# Altium PCB 霍尔小板拼版.PcbDoc (part 1 of 3)
Units mm, origin at the board's own origin, x right, y up, seen from the top; angles counter-clockwise.
Board outline 100.88 x 92.97 mm, 2 copper layers (Top Layer, Bottom Layer); 204 components, 39 nets, 616 pads, 200 vias.
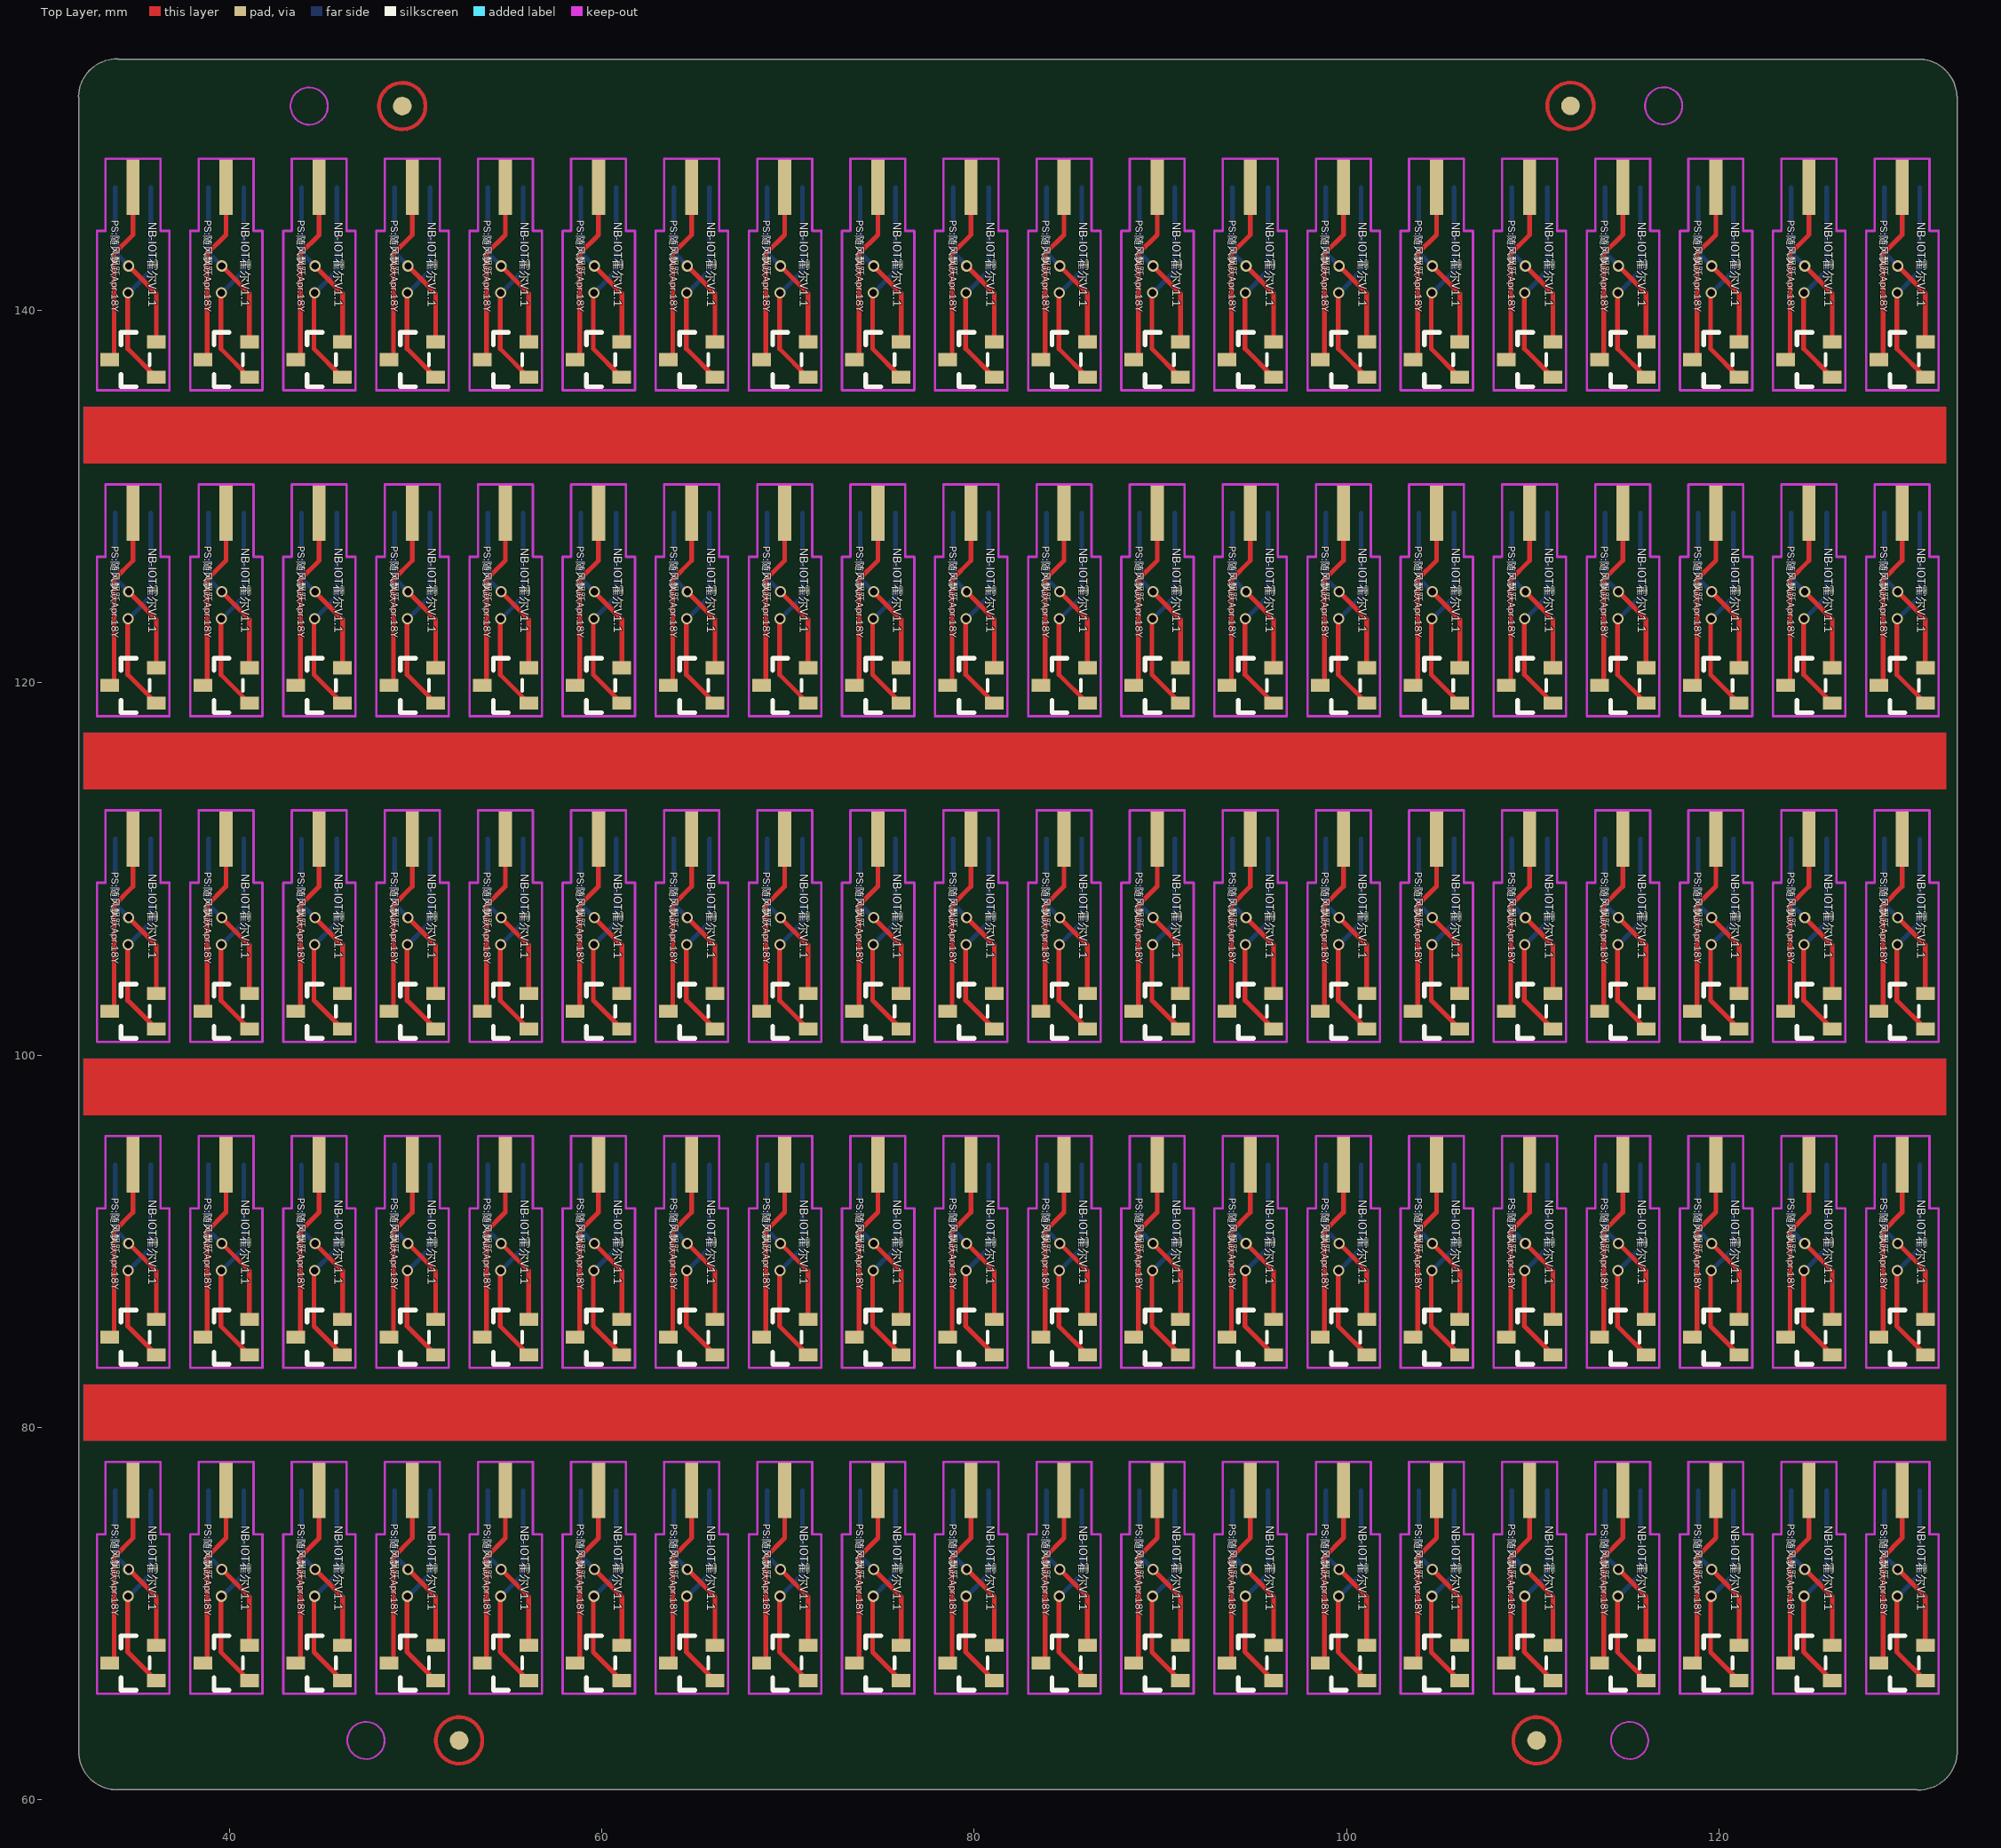
[diagram p0: Top Layer view]
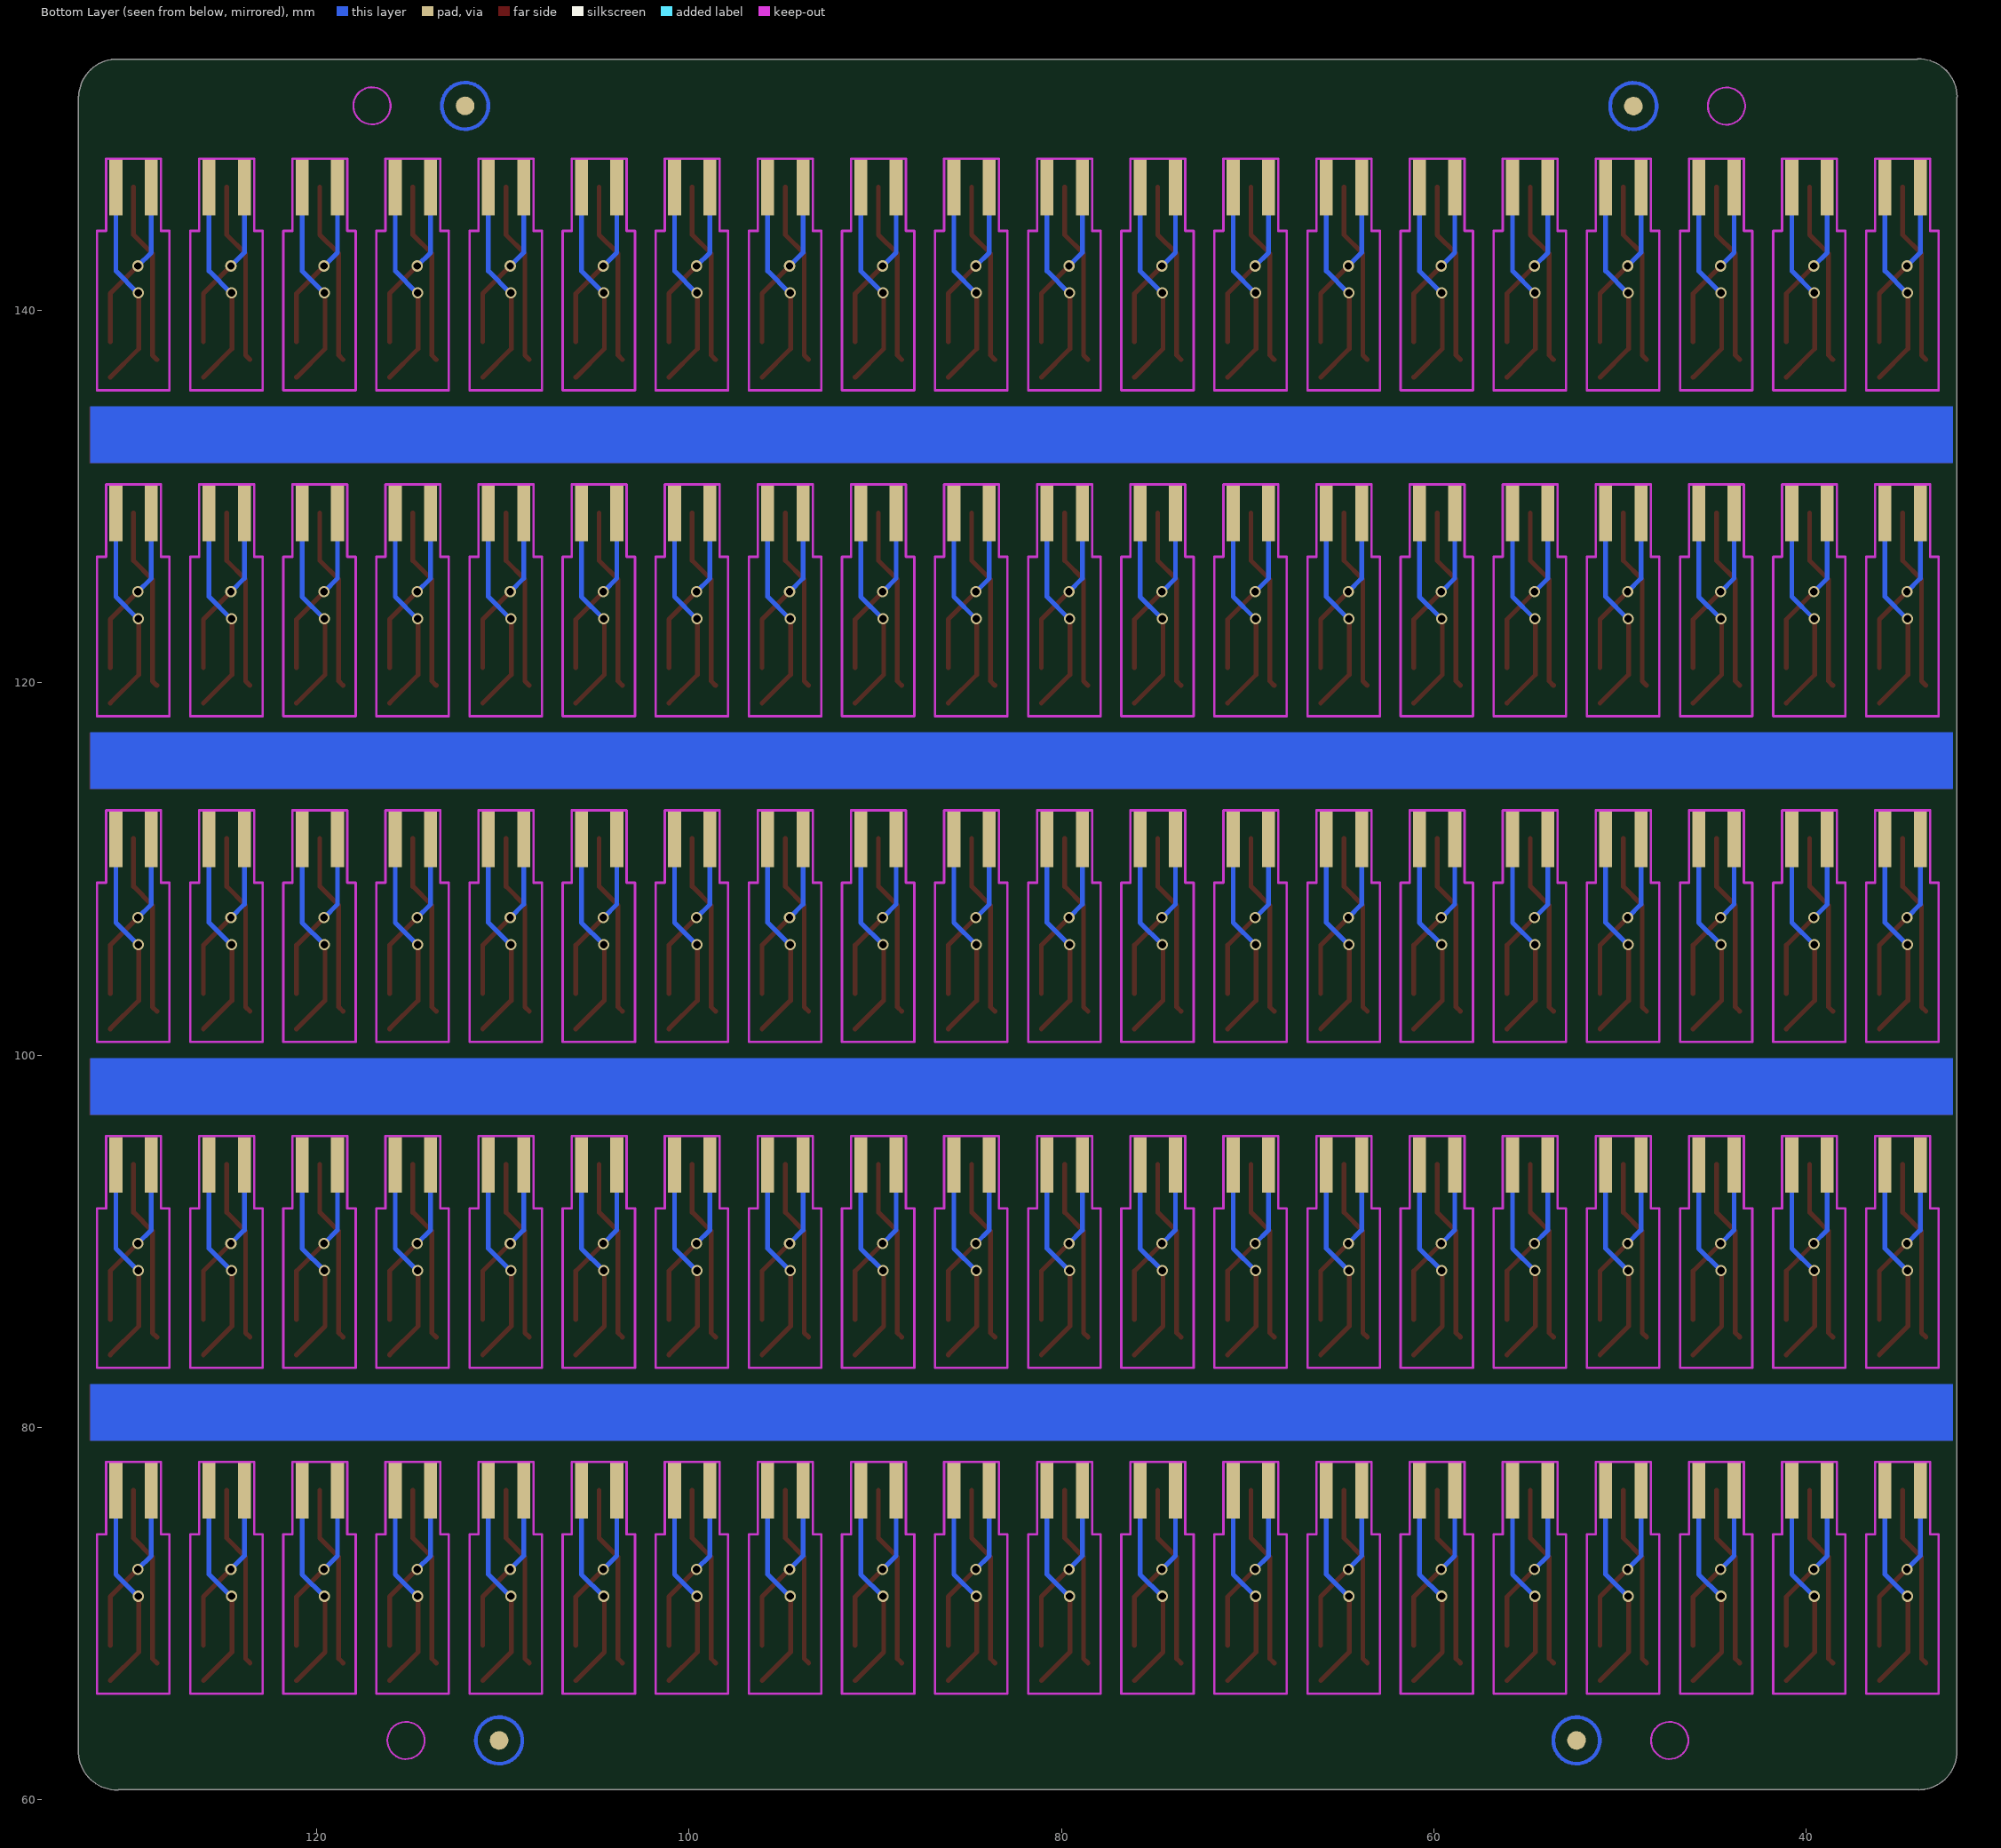
[diagram p1: Bottom Layer view, seen from below]

## Layer stack, top to bottom
Top Layer: signal copper 0.0356
Dielectric: dielectric 0.32, FR-4, Dk 4.8
Bottom Layer: signal copper 0.0356

## Board outline
33.696,60.541 33.824,60.541 ccw(c33.973,62.599) 33.936,60.535 ccw(c33.937,60.599) 33.962,60.541 130.643,60.541 ccw(c130.682,60.591) 130.681,60.528 ccw(c130.718,62.591) 132.78,62.502 ccw(c132.72,62.525) 132.784,62.525 132.784,151.473 ccw(c132.72,151.473) 132.77,151.513 ccw(c130.708,151.426) 131.032,153.465 ccw(c130.985,153.421) 130.985,153.485 130.857,153.485 ccw(c130.708,151.426) 130.745,153.49 ccw(c130.744,153.426) 130.719,153.485 34.038,153.485 ccw(c33.999,153.434) 34,153.498 ccw(c33.963,151.434) 31.899,151.472 ccw(c31.963,151.47) 31.915,151.429 31.915,62.66 ccw(c31.973,62.635) 31.909,62.636 ccw(c33.973,62.599) 33.649,60.561 ccw(c33.696,60.604)

## Design rules (kind name [scope] priority, off if disabled: settings)
Clearance [All] p1: gap=0.254
PolygonConnect [All] p1: connectstyle=Relief reliefconductorwidth=0.254 reliefentries=4 polygonreliefangle="90 Angle"
RoutingVias [All] p1: holewidth=0.457 width=0.762 viastyle="Through Hole" minholewidth=0.203 minwidth=0.254 maxholewidth=0.711 maxwidth=1.27
SilkscreenOverComponentPads [All] p1: minsilkscreentomaskgap=0.254
SolderMaskExpansion [All] p1: expansion=0.102
TestPointUsage [All] p1: valid=0 allowmultiple=FALSE
Testpoint [All] p1: side=15 testpointundercomponent=TRUE minsize=1.016 maxsize=2.54 preferedsize=1.524 minholesize=0 maxholesize=1.016 preferedholesize=0.813 testpointgrid=0.025 style=1023 order=0-112345678
Width [All] p1: maxlimit=2.54 minlimit=0.254 preferedwidth=0.381
23 further rules are at their usual default settings.

## Classes and differential pairs
component class 光电小板: 1 1- 2 2- 3 3- 4 4- 5 5- B1
component class KD-Water2: B2 B3 B4 B5 C1 C2 C3 C4 C5 C6 D1 D2 DR1 DR2 DR3 J1 P1 R1 R2 R3 R4 R5 R6 R7 R8 R9 R10 R11 R12 R13 R14 R15 U1 U2 U3

## Components (designator, comment, footprint, x,y, rotation, side; value= is the part's Value field where it differs from the comment)
? "" Mark 52.337,63.19 r180 top
? "" Mark 110.198,63.19 r0 top
? "" Mark 49.286,150.967 r180 top
? "" Mark 112.022,150.98 r0 top
? "Comment" 霍尔转接板 34.826,145.352 r90 top
? "Comment" SOT-23(SOT-23-3) 34.826,137.351 r0 top
? "Comment" 霍尔转接板 39.826,145.352 r90 top
? "Comment" SOT-23(SOT-23-3) 39.826,137.351 r0 top
? "Comment" 霍尔转接板 44.826,145.352 r90 top
? "Comment" SOT-23(SOT-23-3) 44.826,137.351 r0 top
? "Comment" 霍尔转接板 49.826,145.352 r90 top
? "Comment" SOT-23(SOT-23-3) 49.826,137.351 r0 top
? "Comment" 霍尔转接板 54.826,145.352 r90 top
? "Comment" SOT-23(SOT-23-3) 54.826,137.351 r0 top
? "Comment" 霍尔转接板 59.826,145.352 r90 top
? "Comment" SOT-23(SOT-23-3) 59.826,137.351 r0 top
? "Comment" 霍尔转接板 64.826,145.352 r90 top
? "Comment" SOT-23(SOT-23-3) 64.826,137.351 r0 top
? "Comment" 霍尔转接板 69.826,145.352 r90 top
? "Comment" SOT-23(SOT-23-3) 69.826,137.351 r0 top
? "Comment" 霍尔转接板 74.826,145.352 r90 top
? "Comment" SOT-23(SOT-23-3) 74.826,137.351 r0 top
? "Comment" 霍尔转接板 79.826,145.352 r90 top
? "Comment" SOT-23(SOT-23-3) 79.826,137.351 r0 top
? "Comment" 霍尔转接板 84.826,145.352 r90 top
? "Comment" SOT-23(SOT-23-3) 84.826,137.351 r0 top
? "Comment" 霍尔转接板 89.826,145.352 r90 top
? "Comment" SOT-23(SOT-23-3) 89.826,137.351 r0 top
? "Comment" 霍尔转接板 94.826,145.352 r90 top
? "Comment" SOT-23(SOT-23-3) 94.826,137.351 r0 top
? "Comment" 霍尔转接板 99.826,145.352 r90 top
? "Comment" SOT-23(SOT-23-3) 99.826,137.351 r0 top
? "Comment" 霍尔转接板 104.826,145.352 r90 top
? "Comment" SOT-23(SOT-23-3) 104.826,137.351 r0 top
? "Comment" 霍尔转接板 109.826,145.352 r90 top
? "Comment" SOT-23(SOT-23-3) 109.826,137.351 r0 top
? "Comment" 霍尔转接板 114.826,145.352 r90 top
? "Comment" SOT-23(SOT-23-3) 114.826,137.351 r0 top
? "Comment" 霍尔转接板 119.826,145.352 r90 top
? "Comment" SOT-23(SOT-23-3) 119.826,137.351 r0 top
? "Comment" 霍尔转接板 124.826,145.352 r90 top
? "Comment" SOT-23(SOT-23-3) 124.826,137.351 r0 top
? "Comment" 霍尔转接板 129.826,145.352 r90 top
? "Comment" SOT-23(SOT-23-3) 129.826,137.351 r0 top
? "Comment" 霍尔转接板 34.826,127.852 r90 top
? "Comment" SOT-23(SOT-23-3) 34.826,119.851 r0 top
? "Comment" 霍尔转接板 39.826,127.852 r90 top
? "Comment" SOT-23(SOT-23-3) 39.826,119.851 r0 top
? "Comment" 霍尔转接板 44.826,127.852 r90 top
? "Comment" SOT-23(SOT-23-3) 44.826,119.851 r0 top
? "Comment" 霍尔转接板 49.826,127.852 r90 top
? "Comment" SOT-23(SOT-23-3) 49.826,119.851 r0 top
? "Comment" 霍尔转接板 54.826,127.852 r90 top
? "Comment" SOT-23(SOT-23-3) 54.826,119.851 r0 top
? "Comment" 霍尔转接板 59.826,127.852 r90 top
? "Comment" SOT-23(SOT-23-3) 59.826,119.851 r0 top
? "Comment" 霍尔转接板 64.826,127.852 r90 top
? "Comment" SOT-23(SOT-23-3) 64.826,119.851 r0 top
? "Comment" 霍尔转接板 69.826,127.852 r90 top
? "Comment" SOT-23(SOT-23-3) 69.826,119.851 r0 top
? "Comment" 霍尔转接板 74.826,127.852 r90 top
? "Comment" SOT-23(SOT-23-3) 74.826,119.851 r0 top
? "Comment" 霍尔转接板 79.826,127.852 r90 top
? "Comment" SOT-23(SOT-23-3) 79.826,119.851 r0 top
? "Comment" 霍尔转接板 84.826,127.852 r90 top
? "Comment" SOT-23(SOT-23-3) 84.826,119.851 r0 top
? "Comment" 霍尔转接板 89.826,127.852 r90 top
? "Comment" SOT-23(SOT-23-3) 89.826,119.851 r0 top
? "Comment" 霍尔转接板 94.826,127.852 r90 top
? "Comment" SOT-23(SOT-23-3) 94.826,119.851 r0 top
? "Comment" 霍尔转接板 99.826,127.852 r90 top
? "Comment" SOT-23(SOT-23-3) 99.826,119.851 r0 top
? "Comment" 霍尔转接板 104.826,127.852 r90 top
? "Comment" SOT-23(SOT-23-3) 104.826,119.851 r0 top
? "Comment" 霍尔转接板 109.826,127.852 r90 top
? "Comment" SOT-23(SOT-23-3) 109.826,119.851 r0 top
? "Comment" 霍尔转接板 114.826,127.852 r90 top
? "Comment" SOT-23(SOT-23-3) 114.826,119.851 r0 top
? "Comment" 霍尔转接板 119.826,127.852 r90 top
? "Comment" SOT-23(SOT-23-3) 119.826,119.851 r0 top
? "Comment" 霍尔转接板 124.826,127.852 r90 top
? "Comment" SOT-23(SOT-23-3) 124.826,119.851 r0 top
? "Comment" 霍尔转接板 129.826,127.852 r90 top
? "Comment" SOT-23(SOT-23-3) 129.826,119.851 r0 top
? "Comment" 霍尔转接板 34.826,110.352 r90 top
? "Comment" SOT-23(SOT-23-3) 34.826,102.351 r0 top
? "Comment" 霍尔转接板 39.826,110.352 r90 top
? "Comment" SOT-23(SOT-23-3) 39.826,102.351 r0 top
? "Comment" 霍尔转接板 44.826,110.352 r90 top
? "Comment" SOT-23(SOT-23-3) 44.826,102.351 r0 top
? "Comment" 霍尔转接板 49.826,110.352 r90 top
? "Comment" SOT-23(SOT-23-3) 49.826,102.351 r0 top
? "Comment" 霍尔转接板 54.826,110.352 r90 top
? "Comment" SOT-23(SOT-23-3) 54.826,102.351 r0 top
? "Comment" 霍尔转接板 59.826,110.352 r90 top
? "Comment" SOT-23(SOT-23-3) 59.826,102.351 r0 top
? "Comment" 霍尔转接板 64.826,110.352 r90 top
? "Comment" SOT-23(SOT-23-3) 64.826,102.351 r0 top
? "Comment" 霍尔转接板 69.826,110.352 r90 top
? "Comment" SOT-23(SOT-23-3) 69.826,102.351 r0 top
? "Comment" 霍尔转接板 74.826,110.352 r90 top
? "Comment" SOT-23(SOT-23-3) 74.826,102.351 r0 top
? "Comment" 霍尔转接板 79.826,110.352 r90 top
? "Comment" SOT-23(SOT-23-3) 79.826,102.351 r0 top
? "Comment" 霍尔转接板 84.826,110.352 r90 top
? "Comment" SOT-23(SOT-23-3) 84.826,102.351 r0 top
? "Comment" 霍尔转接板 89.826,110.352 r90 top
? "Comment" SOT-23(SOT-23-3) 89.826,102.351 r0 top
? "Comment" 霍尔转接板 94.826,110.352 r90 top
? "Comment" SOT-23(SOT-23-3) 94.826,102.351 r0 top
? "Comment" 霍尔转接板 99.826,110.352 r90 top
? "Comment" SOT-23(SOT-23-3) 99.826,102.351 r0 top
? "Comment" 霍尔转接板 104.826,110.352 r90 top
? "Comment" SOT-23(SOT-23-3) 104.826,102.351 r0 top
? "Comment" 霍尔转接板 109.826,110.352 r90 top
? "Comment" SOT-23(SOT-23-3) 109.826,102.351 r0 top
? "Comment" 霍尔转接板 114.826,110.352 r90 top
? "Comment" SOT-23(SOT-23-3) 114.826,102.351 r0 top
? "Comment" 霍尔转接板 119.826,110.352 r90 top
? "Comment" SOT-23(SOT-23-3) 119.826,102.351 r0 top
? "Comment" 霍尔转接板 124.826,110.352 r90 top
? "Comment" SOT-23(SOT-23-3) 124.826,102.351 r0 top
? "Comment" 霍尔转接板 129.826,110.352 r90 top
? "Comment" SOT-23(SOT-23-3) 129.826,102.351 r0 top
? "Comment" 霍尔转接板 34.826,92.852 r90 top
? "Comment" SOT-23(SOT-23-3) 34.826,84.851 r0 top
? "Comment" 霍尔转接板 39.826,92.852 r90 top
? "Comment" SOT-23(SOT-23-3) 39.826,84.851 r0 top
? "Comment" 霍尔转接板 44.826,92.852 r90 top
? "Comment" SOT-23(SOT-23-3) 44.826,84.851 r0 top
? "Comment" 霍尔转接板 49.826,92.852 r90 top
? "Comment" SOT-23(SOT-23-3) 49.826,84.851 r0 top
? "Comment" 霍尔转接板 54.826,92.852 r90 top
? "Comment" SOT-23(SOT-23-3) 54.826,84.851 r0 top
? "Comment" 霍尔转接板 59.826,92.852 r90 top
? "Comment" SOT-23(SOT-23-3) 59.826,84.851 r0 top
? "Comment" 霍尔转接板 64.826,92.852 r90 top
? "Comment" SOT-23(SOT-23-3) 64.826,84.851 r0 top
? "Comment" 霍尔转接板 69.826,92.852 r90 top
? "Comment" SOT-23(SOT-23-3) 69.826,84.851 r0 top
? "Comment" 霍尔转接板 74.826,92.852 r90 top
? "Comment" SOT-23(SOT-23-3) 74.826,84.851 r0 top
? "Comment" 霍尔转接板 79.826,92.852 r90 top
? "Comment" SOT-23(SOT-23-3) 79.826,84.851 r0 top
? "Comment" 霍尔转接板 84.826,92.852 r90 top
? "Comment" SOT-23(SOT-23-3) 84.826,84.851 r0 top
? "Comment" 霍尔转接板 89.826,92.852 r90 top
? "Comment" SOT-23(SOT-23-3) 89.826,84.851 r0 top
? "Comment" 霍尔转接板 94.826,92.852 r90 top
? "Comment" SOT-23(SOT-23-3) 94.826,84.851 r0 top
? "Comment" 霍尔转接板 99.826,92.852 r90 top
? "Comment" SOT-23(SOT-23-3) 99.826,84.851 r0 top
? "Comment" 霍尔转接板 104.826,92.852 r90 top
? "Comment" SOT-23(SOT-23-3) 104.826,84.851 r0 top
? "Comment" 霍尔转接板 109.826,92.852 r90 top
? "Comment" SOT-23(SOT-23-3) 109.826,84.851 r0 top
? "Comment" 霍尔转接板 114.826,92.852 r90 top
? "Comment" SOT-23(SOT-23-3) 114.826,84.851 r0 top
? "Comment" 霍尔转接板 119.826,92.852 r90 top
? "Comment" SOT-23(SOT-23-3) 119.826,84.851 r0 top
? "Comment" 霍尔转接板 124.826,92.852 r90 top
? "Comment" SOT-23(SOT-23-3) 124.826,84.851 r0 top
? "Comment" 霍尔转接板 129.826,92.852 r90 top
? "Comment" SOT-23(SOT-23-3) 129.826,84.851 r0 top
? "Comment" 霍尔转接板 34.826,75.352 r90 top
? "Comment" SOT-23(SOT-23-3) 34.826,67.351 r0 top
? "Comment" 霍尔转接板 39.826,75.352 r90 top
? "Comment" SOT-23(SOT-23-3) 39.826,67.351 r0 top
? "Comment" 霍尔转接板 44.826,75.352 r90 top
? "Comment" SOT-23(SOT-23-3) 44.826,67.351 r0 top
? "Comment" 霍尔转接板 49.826,75.352 r90 top
? "Comment" SOT-23(SOT-23-3) 49.826,67.351 r0 top
? "Comment" 霍尔转接板 54.826,75.352 r90 top
? "Comment" SOT-23(SOT-23-3) 54.826,67.351 r0 top
? "Comment" 霍尔转接板 59.826,75.352 r90 top
? "Comment" SOT-23(SOT-23-3) 59.826,67.351 r0 top
? "Comment" 霍尔转接板 64.826,75.352 r90 top
? "Comment" SOT-23(SOT-23-3) 64.826,67.351 r0 top
? "Comment" 霍尔转接板 69.826,75.352 r90 top
? "Comment" SOT-23(SOT-23-3) 69.826,67.351 r0 top
? "Comment" 霍尔转接板 74.826,75.352 r90 top
? "Comment" SOT-23(SOT-23-3) 74.826,67.351 r0 top
? "Comment" 霍尔转接板 79.826,75.352 r90 top
? "Comment" SOT-23(SOT-23-3) 79.826,67.351 r0 top
? "Comment" 霍尔转接板 84.826,75.352 r90 top
? "Comment" SOT-23(SOT-23-3) 84.826,67.351 r0 top
? "Comment" 霍尔转接板 89.826,75.352 r90 top
? "Comment" SOT-23(SOT-23-3) 89.826,67.351 r0 top
? "Comment" 霍尔转接板 94.826,75.352 r90 top
? "Comment" SOT-23(SOT-23-3) 94.826,67.351 r0 top
? "Comment" 霍尔转接板 99.826,75.352 r90 top
? "Comment" SOT-23(SOT-23-3) 99.826,67.351 r0 top
? "Comment" 霍尔转接板 104.826,75.352 r90 top
? "Comment" SOT-23(SOT-23-3) 104.826,67.351 r0 top
? "Comment" 霍尔转接板 109.826,75.352 r90 top
? "Comment" SOT-23(SOT-23-3) 109.826,67.351 r0 top
? "Comment" 霍尔转接板 114.826,75.352 r90 top
? "Comment" SOT-23(SOT-23-3) 114.826,67.351 r0 top
? "Comment" 霍尔转接板 119.826,75.352 r90 top
? "Comment" SOT-23(SOT-23-3) 119.826,67.351 r0 top
? "Comment" 霍尔转接板 124.826,75.352 r90 top
? "Comment" SOT-23(SOT-23-3) 124.826,67.351 r0 top
? "Comment" 霍尔转接板 129.826,75.352 r90 top
? "Comment" SOT-23(SOT-23-3) 129.826,67.351 r0 top

## Footprints (in the part's own frame and the unit in brackets; to place one, negate y for a bottom-side part, rotate by r counter-clockwise, add the part's x,y. Pads: shape width x height; smd on the part's side, far side on the other; paste and mask are expansions set on the pad)
Mark [mm]
  round 1 smd: 0(0,0)
  round 1 smd far side: 0(0,0)
  round 2 on Top Solder: 1(0,0)
  round 2 on Bottom Solder: 1(0,0)
  Top Layer circle w0.2: c0,0 r1.25
  Bottom Layer circle w0.2: c0,0 r1.25
  Keep-Out Layer circle w0.1: c5,0 r1
SOT-23(SOT-23-3) [mm]
  rect 1x0.7 smd: 1(1.25,-0.95) 2(1.25,0.95) 3(-1.25,0)
  silkscreen extent -0.65,-1.46 0.9,1.46, body extent -1.5,-1.5 1.5,1.5, height 1.3
霍尔转接板 [mm]
  rect 3x0.7 smd far side: 1(1.25,-0.95) 2(1.25,0.95)
  rect 3x0.7 smd: 3(1.27,0)

## Via types
v1: diameter 0.6, hole 0.4, Top Layer to Bottom Layer, tented both sides, 200 vias

## Nets (pads, with @x,y where several pads share a name; then routed paths per layer and width w, separated by ;. In a path a pad name is that pad's centre, name@x,y a point inside that pad or via, vN(x,y) a via of type N, cw(c..) or ccw(c..) an arc to the next point about the centre after c; other vN are vias at no path point)
1: 
2: 
3: 
3.3V: 
4: 
5: 
6: 
7: 
8: 
A+: 
B-: 
EN: 
GND: 
NetC4_2: 
NetP1_3: 
NetR3_1: 
NetR4_1: 
NetR5_1: 
NetR6_1: 
NetR7_1: 
NetR13_1: 
PA6: 
PB0: 
PB1: 
PB2: 
PB3: 
PB4: 
PC4: 
PC5: 
PC6: 
PD0: 
PD1: 
PD2: 
PD3: 
PD4: 
RXD: 
TXD: 
V+: 
VIN: 
pads on no net: ?.0 ?.1 ?.2 ?.3